# Allegro board 038RT-9068CJK8E-A100_0921_1.brd (continued)
## Routing (per net, layer and track width the routed paths; a pad name or vN(x,y) marks a point on that pad's centre or on a via; arc(x,y) is an arc through that point) (continued)
  L03_SIGNAL w0.102: v4(99,209.42) 99.2,209.63 arc(99.42,209.77) 99.67,209.82 99.91,209.82 arc(100.01,209.84) 100.1,209.9 100.11,209.91 arc(100.2,209.97) 100.31,209.99 100.66,209.99 arc(100.9,210.04) 101.11,210.18
  L03_SIGNAL w0.136: v1(129.49,216.43) 129.3,216.62 arc(129.11,216.75) 128.89,216.79 128.27,216.79 arc(128.18,216.77) 128.11,216.72 125.7,214.32 arc(125.48,214.17) 125.22,214.12 118.37,214.12 arc(118.28,214.1) 118.2,214.05 117.93,213.78 arc(117.71,213.63) 117.45,213.58 111.66,213.58 arc(111.4,213.63) 111.18,213.78 110.98,213.97 arc(110.9,214.02) 110.82,214.04 105.06,214.04 arc(104.98,214.02) 104.9,213.97 101.11,210.18
SG0_P5_HSI-: length 33.8
  L03_SIGNAL w0.102: 100.22,210.45 100.19,210.45 100.1,210.54 arc(100.01,210.6) 99.91,210.62 99.67,210.62 arc(99.42,210.57) 99.2,210.43 v4(99,210.22)
  L03_SIGNAL w0.136: v1(129.49,217.6) 129.26,217.37 arc(129.12,217.27) 128.95,217.24 128.27,217.24 arc(128.01,217.19) 127.79,217.04 125.38,214.64 arc(125.3,214.59) 125.22,214.57 118.37,214.57 arc(118.1,214.52) 117.88,214.37 117.61,214.1 arc(117.54,214.05) 117.45,214.03 111.66,214.03 arc(111.57,214.05) 111.5,214.1 111.3,214.29 arc(111.08,214.44) 110.82,214.49 105.06,214.49 arc(104.8,214.44) 104.58,214.29 100.91,210.62 arc(100.72,210.49) 100.49,210.45 100.22,210.45
SG0_P5_HSO+: length 37.5
  BOTTOM w0.105: v1(99.8,210.22) 99.89,210.31 arc(99.97,210.37) 100.07,210.39 103.6,210.39 arc(103.64,210.38) 103.67,210.36 104.39,209.64 arc(104.57,209.52) 104.79,209.47 116.82,209.47 arc(117.03,209.52) 117.22,209.64 117.85,210.27 arc(117.97,210.46) 118.02,210.68 118.02,215.93 arc(118.03,215.97) 118.05,216.01 119.16,217.11 arc(119.19,217.14) 119.23,217.14 126.47,217.14 arc(126.69,217.19) 126.87,217.31 128.81,219.25 arc(128.86,219.28) 128.91,219.29 129.01,219.29 arc(129.13,219.27) 129.23,219.2 CS72.2
SG0_P5_HSO-: length 37.5
  BOTTOM w0.105: CS71.2 129.29,219.91 arc(129.12,219.8) 128.92,219.76 128.79,219.76 arc(128.67,219.73) 128.57,219.67 126.55,217.64 arc(126.51,217.62) 126.47,217.61 119.23,217.61 arc(119.01,217.57) 118.83,217.44 117.72,216.34 arc(117.6,216.15) 117.55,215.93 117.55,210.68 arc(117.54,210.63) 117.52,210.6 116.89,209.97 arc(116.86,209.95) 116.82,209.94 104.79,209.94 arc(104.75,209.95) 104.72,209.97 104,210.69 arc(103.82,210.81) 103.6,210.85 100.07,210.85 arc(99.97,210.87) 99.89,210.93 v1(99.8,211.02)
SG0_P5_LDOOUT: length 29.2
  L05_SIGNAL w0.102: 100.22,208.22 93.8,208.22 v1(93.4,207.82)
  L05_SIGNAL w0.105: v2(121.14,206.38) 118.68,208.84 102.59,208.84 101.97,208.22 100.22,208.22
  vias: v1(92.6,207.82)
SG0_P5_LED: length 25.8
  L05_SIGNAL w0.102: 93.8,213.84 93.8,210.62 v1(93.4,210.22)
  L05_SIGNAL w0.105: v2(94.47,235.26) 94.79,234.94 94.79,229.02 94.13,228.35 94.13,217.89 93.8,217.56 93.8,213.84
SG0_P5_MDI+: length 6.7
  BOTTOM w0.105: v1(85.4,202.22) 85.23,202.05 83.89,202.05 82.84,201 82.84,199.01 82.38,198.55 81.98,198.55 T21.3
SG0_P5_MDI-: length 6.7
  BOTTOM w0.105: v1(85.4,201.42) 85.23,201.59 84.08,201.59 83.3,200.81 83.3,198.82 82.57,198.09 81.98,198.09 T21.4
SG0_P5_RXC: length 71.6
  L07_SIGNAL w0.105: v1(83.94,229.07) 85.34,227.67 88.42,227.67 89.09,228.34 89.09,230.98 91.04,232.92 96.81,232.92 98.01,234.12 101.29,234.12 101.59,234.42 118.5,234.42 v2(121.14,231.78)
  L09_SIGNAL w0.102: 90.04,213.84 90.04,213.61 90.2,213.45 v1(90.2,213.42)
  L09_SIGNAL w0.105: 90.04,213.84 90.04,222.33 90.84,223.13 90.84,228.27 91.44,228.88 91.44,231.32 90.49,232.27 86.21,232.27 84.75,230.81 84.75,229.88 v1(83.94,229.07)
  BOTTOM w0.115: v1(83.94,229.07) RR904.2
SG0_P5_RXD0: length 70.4
  L07_SIGNAL w0.105: v1(88,229.07) 87.54,229.53 85.5,229.53 85.16,229.87 85.16,232.49 89.04,236.37 126.58,236.37 127.62,235.34 127.62,232.53 v2(126.86,231.78)
  L09_SIGNAL w0.102: v1(87.8,213.42) 87.8,213.84
  L09_SIGNAL w0.105: v1(88,229.07) 88,223.96 88.27,223.69 88.27,216.95 87.6,216.28 87.6,214.04 87.8,213.84
  BOTTOM w0.115: v1(88,229.07) RR900.2
SG0_P5_RXD1: length 73.1
  L07_SIGNAL w0.105: v1(90.04,231.13) 91.27,232.37 97.04,232.37 98.24,233.56 101.52,233.56 101.82,233.86 116.99,233.86 120.27,230.58 120.27,227.85 122.37,225.75 122.37,225.23 123.61,223.99 124.11,223.99 126.12,221.98 126.12,218.55 124.47,216.89 122.13,216.89 v2(121.14,215.9)
  L09_SIGNAL w0.102: 88.21,213.84 88.21,213.01 v1(88.6,212.62)
  L09_SIGNAL w0.105: v1(90.04,231.13) 88.82,229.92 88.82,216.43 88.21,215.81 88.21,213.84
  BOTTOM w0.115: v1(90.04,231.13) RR901.2
SG0_P5_RXD2: length 85
  L09_SIGNAL w0.102: v1(88.6,213.42) 88.99,213.03 88.99,212.38 89.14,212.23 91.16,212.23 91.39,212.46 91.39,213.79 91.44,213.84
  L09_SIGNAL w0.105: v2(124.95,231.78) 122.73,233.99 95.36,233.99 94.98,233.61 94.98,232.69 95.5,232.17 107.1,232.17 107.55,231.72 107.55,230.32 v1(106.29,229.07) 104.69,230.67 93.79,230.67 93.42,230.3 93.42,228.45 94.16,227.71 94.16,217.85 91.57,215.26 91.57,213.97 91.44,213.84
  BOTTOM w0.115: v1(106.29,229.07) RR902.2
SG0_P5_RXD3: length 73.3
  L07_SIGNAL w0.105: v1(92.07,231.13) 92.75,231.81 97.27,231.81 98.47,233.01 101.75,233.01 102.05,233.31 115.4,233.31 118.29,230.42 118.29,229.85 118,229.56 117.52,229.56 114.94,232.14 114.45,232.14 114.1,231.78 114.1,231.3 118.99,226.4 120.93,226.4 121.81,225.52 121.81,225 124.32,222.5 124.32,219.71 v2(124.95,219.07)
  L09_SIGNAL w0.102: 90.6,213.84 90.6,213.14 90.47,213.01 89.79,213.01 v1(89.4,212.62)
  L09_SIGNAL w0.105: v1(92.07,231.13) 92.6,230.6 92.6,223.69 90.6,221.68 90.6,213.84
  BOTTOM w0.115: v1(92.07,231.13) RR903.2
SG0_P5_RXDV: length 73.9
  L07_SIGNAL w0.105: v2(123.05,231.78) 123.05,232.43 123.34,232.73 126.41,232.73 126.93,233.24 126.93,235.11 126.22,235.81 92.31,235.81 88.47,231.98 86.82,231.98 v1(85.97,231.13)
  L09_SIGNAL w0.102: 89.27,213.84 89.27,213.55 v1(89.4,213.42)
  L09_SIGNAL w0.105: v1(85.97,231.13) 86.55,231.71 90.26,231.71 90.89,231.09 90.89,229.11 89.41,227.62 89.41,215.35 89.27,215.21 89.27,213.84
  BOTTOM w0.115: v1(85.97,231.13) RR905.2
SG0_P5_TXC: length 277.6
  L07_SIGNAL w0.102: v1(91.8,212.62) 92.19,212.23 92.19,210.8 92.38,210.61 100.19,210.61 100.22,210.64
  L07_SIGNAL w0.105: 100.22,210.64 102.59,210.64 103.24,209.99 116.78,209.99 117.74,210.95 124.48,210.95 124.94,210.95 128.2,214.21 128.2,223.25 123.05,228.4 v2(123.05,228.6)
  L13_SIGNAL w0.105: v2(123.05,228.6) 125.41,230.97 126.91,230.97 135.08,239.13 197.35,239.13 201.58,234.9 211.65,234.9 219.64,226.91 227.63,226.91 228.66,227.94 259.67,227.94 260.4,228.68 260.4,230.77 259.77,231.4 243.17,231.4 242.57,232 242.57,235.06 243.01,235.5 280.67,235.5 282.01,234.15 282.01,225.8 v1(282.91,224.9)
  BOTTOM w0.115: v1(282.91,224.9) RR924.2
SG0_P5_TXD0: length 66.9
  L09_SIGNAL w0.102: v1(92.6,212.62) 92.2,213.02 92.2,213.74
  L09_SIGNAL w0.105: 92.2,213.74 92.2,213.85 94.38,216.03 96.08,216.03 96.86,216.82 105.69,216.82 106.74,217.87 110.96,217.87 111.88,218.79 117.04,218.79 119.77,221.52 123.22,221.52 127.56,225.86 127.56,229.87 127.57,229.87 127.57,230.3 127.57,230.31 127.57,230.74 133.07,236.24 133.07,237 135.1,239.04 142.03,239.04 SG0_P5_TXD0.1
SG0_P5_TXD1: length 136.2
  L09_SIGNAL w0.105: SG0_P5_TXD1.1 144.52,238.33 147.99,238.33 148.79,239.13 148.79,241.09 151.64,243.94 171.69,243.94 172.33,244.58 172.33,246.89 171.64,247.58 151.71,247.58 147.37,243.23 147.37,239.69 146.67,239 143.09,239 142.47,238.38 137.05,238.38 136.37,237.71 136.37,236.24 136.13,236 133.62,236 128.13,230.51 128.13,229.1 128.12,229.1 128.12,224.38 124.57,220.83 120.02,220.83 117.42,218.24 112.29,218.24 110.15,216.09 97.35,216.09 96.61,215.36 94.53,215.36 v1(92.6,213.42)
SG0_P5_TXD2: length 145.3
  L09_SIGNAL w0.102: v1(93.4,212.62) 93.8,213.02 93.8,213.74 93.9,213.84
  L09_SIGNAL w0.105: 93.9,213.84 94.84,214.78 105.61,214.78 105.8,214.59 110.04,214.59 111.9,216.45 111.9,216.74 112.84,217.68 117.89,217.68 120.38,220.17 126.13,220.17 130.08,224.12 130.08,225.39 132.69,227.99 132.69,229.95 136.33,233.59 136.33,234.67 137.09,235.43 142.92,235.43 143.43,235.93 149,235.93 152.22,239.15 168.28,239.15 169.71,237.73 169.71,234.75 170.81,233.65 185.21,233.65 186.03,234.47 186.03,237.39 185.41,238.01 172.97,238.01 168.4,242.58 168.4,242.64 159.82,242.64 159.28,242.1 159.28,241.05 SG0_P5_TXD2.1
SG0_P5_TXD3: length 275.8
  L07_SIGNAL w0.102: v1(93.4,213.42) 92.99,213.01 92.99,212.08 93.66,211.41 100.22,211.41
  L07_SIGNAL w0.105: 100.22,211.41 103.35,211.41 104.22,210.55 116.48,210.55 117.43,211.5 124.71,211.5 127.62,214.42 127.62,222.87 125.76,224.73 124.52,224.73 123.99,225.26 123.99,225.76 v2(121.14,228.6)
  L15_SIGNAL w0.105: v1(276.81,224.9) 276.81,227.36 272.33,231.84 197.16,231.84 196.42,231.1 196.42,221.85 197.05,221.22 212.74,221.22 213.24,220.73 213.24,214.37 210.97,212.1 141.76,212.1 136.98,216.88 136.98,218.39 134.61,220.76 134.61,222.48 130.92,226.17 123.57,226.17 v2(121.14,228.6)
  BOTTOM w0.115: v1(276.81,224.9) RR923.2
SG0_P5_TXEN: length 281.2
  L07_SIGNAL w0.102: 100.22,209.83 91.59,209.83 91.39,210.02 91.39,213.01 v1(91.8,213.42)
  L07_SIGNAL w0.105: 100.22,209.83 101.54,209.83 102.06,209.3 117.15,209.3 118.2,210.36 125.18,210.36 130.2,215.38 130.2,222.18 124.95,227.43 v2(124.95,228.6)
  L15_SIGNAL w0.105: v2(124.95,228.6) 126.12,228.6 128.59,231.07 131.57,231.07 132.24,230.39 132.24,226.35 135.9,222.7 137.66,222.7 138.26,222.1 138.26,216.73 139.84,215.15 142.09,215.15 143.66,213.58 148.31,213.58 149.92,215.19 149.92,226.9 149.14,227.69 140.27,227.69 139.54,228.42 139.54,234.16 140.48,235.11 164.4,235.11 164.92,235.63 273.22,235.63 281.65,227.2 281.65,221.87 v1(280.88,221.09)
  BOTTOM w0.115: v1(280.88,221.09) RR925.2
SG0_P5_VDDIO:
  vias: v1(87.8,212.62) v1(91,213.42) v1(91,212.62) v1(91.49,219.84) v1(91.49,219.21)
SG0_P6_CLKREQB: length 27
  L09_SIGNAL w0.105: v1(98.2,199.02) 98.69,198.53 107.54,198.53 108.59,199.57 118.64,199.57 122.27,203.2 v2(123.05,203.2)
SG0_P6_HSI+: length 34
  BOTTOM w0.14: CS107.2 130.58,203.07 129.32,203.07 128,201.75 120.56,201.75 118.58,199.77 103.62,199.77 100.57,202.81 100,202.81
  BOTTOM w0.15: 100,202.81 v1(99.8,203.02)
SG0_P6_HSI-: length 34
  BOTTOM w0.14: 100,202.43 100.41,202.43 103.45,199.38 118.74,199.38 120.72,201.36 128.16,201.36 129.48,202.68 130.58,202.68 CS108.2
  BOTTOM w0.15: 100,202.43 v1(99.8,202.22)
SG0_P6_HSO+: length 24.6
  TOP w0.14: CS102.2 122.32,196.32 arc(122.11,196.45) 121.87,196.5 120.9,196.5 arc(120.63,196.56) 120.4,196.71 117.9,199.21 arc(117.8,199.28) 117.68,199.3 102.55,199.3 arc(102.28,199.36) 102.06,199.51 100.83,200.73 arc(100.73,200.8) 100.61,200.83 100.13,200.83 arc(100.01,200.8) 99.91,200.73
  TOP w0.15: 99.91,200.73 GOLD0.W3
SG0_P6_HSO-: length 24.6
  TOP w0.14: CS101.2 122.32,197.08 arc(122.11,196.94) 121.87,196.89 120.9,196.89 arc(120.78,196.92) 120.68,196.98 118.17,199.49 arc(117.94,199.64) 117.68,199.69 102.55,199.69 arc(102.43,199.72) 102.33,199.79 101.11,201.01 arc(100.88,201.16) 100.61,201.21 100,201.21
  TOP w0.15: 100,201.21 GOLD0.W4
SG0_P6_ISOLATEB: length 86.1
  L05_SIGNAL w0.102: 100.22,204.94 100.14,205.02 98.47,205.02 97.8,204.35 97.8,200.22 v1(98.2,199.82)
  L05_SIGNAL w0.105: 100.22,204.94 100.77,204.39 125.21,204.39 129.29,200.31 138.36,200.31 142.84,195.83 144.03,195.83 149.31,190.54 149.31,186.58 149.87,186.02 166.52,186.02 167.09,186.58 167.09,187.14 v2(167.72,187.77)
SG0_P6_LANWAKEB: length 25.1
  L09_SIGNAL w0.102: 100.22,200.22 97.8,200.22 v1(97.4,199.82)
  L09_SIGNAL w0.105: 100.22,200.22 118.16,200.22 v2(121.14,203.2)
SG0_P6_LED: length 26.2
  L05_SIGNAL w0.102: v1(94.2,210.22) 94.6,210.62 94.6,213.84
  L05_SIGNAL w0.105: v2(96.38,235.26) 96.74,234.9 96.74,228.68 96.38,228.32 96.38,225.68 94.88,224.18 94.88,217.51 94.6,217.23 94.6,213.84
SG0_P6_MDI+: length 5.7
  L46_SIGNAL w0.102: v1(86.2,203.02) 85.8,202.62 85.18,202.62 85,202.45 84.98,202.45
  L46_SIGNAL w0.136: 84.98,202.45 84.49,202.45 83.64,203.3 81.59,203.3 81.46,203.43 v1(81.46,203.77)
SG0_P6_MDI-: length 5.7
  L46_SIGNAL w0.102: v1(86.2,202.22) 85.8,201.82 85.18,201.82 85,201.99 84.98,201.99
  L46_SIGNAL w0.136: v1(81.46,202.37) 81.46,202.71 81.59,202.85 83.45,202.85 84.3,201.99 84.98,201.99
SG0_P6_PCIE_RESETB: length 59.4
  L03_SIGNAL w0.145: v1(99,199.02) 100.66,197.36 108.02,197.36 108.71,196.67 126.59,196.67 129.47,193.78 146.37,193.78 149.26,190.89 149.26,186.04 v2(149.94,185.37)
SG0_P6_REFCLK+: length 32.1
  L05_SIGNAL w0.1: v2(123.05,187.32) 123.72,187.32 123.82,187.43 123.82,188.35 123.56,188.62 123.14,188.62 123.02,188.5 123.02,188.3 122.9,188.18 122.74,188.18 122.62,188.3 122.62,188.5 122.5,188.62 118.38,188.62 112.53,194.47 108.93,194.47 106.71,196.68 104.39,196.68 101.43,199.64 100.46,199.64
  L05_SIGNAL w0.102: v1(99,199.82) 99.4,199.42 100.1,199.42 100.31,199.64 100.46,199.64 100.46,199.64
SG0_P6_REFCLK-: length 32.1
  L05_SIGNAL w0.1: v2(124.95,187.32) 124.28,187.32 124.18,187.43 124.18,188.51 123.71,188.98 118.53,188.98 112.68,194.83 109.08,194.83 106.87,197.05 104.54,197.05 101.59,200 100.46,200
  L05_SIGNAL w0.102: 100.46,200 100.31,200 100.1,200.22 99.4,200.22 v1(99,200.62)
SG0_P7_CLKREQB: length 31.4
  L09_SIGNAL w0.102: v1(96.6,202.22) 97,202.62 100.05,202.62 100.06,202.62 100.22,202.62
  L09_SIGNAL w0.105: 100.22,202.62 104.24,202.62 105.94,204.32 116.68,204.32 120.94,208.57 123.98,208.57 v2(124.95,209.55)
SG0_P7_HSI+: length 32.8
  BOTTOM w0.14: CS117.2 130.58,205.93 127.94,205.93 126.7,204.7 104.43,204.7 102.3,206.83 99.99,206.83
  BOTTOM w0.15: v1(99.8,207.02) 99.99,206.83
SG0_P7_HSI-: length 32.8
  BOTTOM w0.14: CS118.2 130.58,205.54 128.1,205.54 126.87,204.31 104.27,204.31 102.14,206.44 100.16,206.44 100.16,206.43 100.01,206.43 100,206.43
  BOTTOM w0.15: 100,206.43 v1(99.8,206.22)
SG0_P7_HSO+: length 26.2
  TOP w0.14: CS112.2 122.32,198.82 arc(122.11,198.96) 121.87,199.01 121.69,199.01 arc(121.42,199.06) 121.2,199.21 119.48,200.93 arc(119.33,201.16) 119.28,201.42 119.28,202.63 arc(119.26,202.75) 119.19,202.85 117.98,204.06 arc(117.88,204.13) 117.76,204.15 102.15,204.15 arc(101.88,204.2) 101.65,204.36 101.28,204.73 arc(101.18,204.8) 101.06,204.83 100.13,204.83 arc(100.01,204.8) 99.91,204.73
  TOP w0.15: 99.91,204.73 GOLD0.W8
SG0_P7_HSO-: length 26.2
  TOP w0.14: 100,205.21 101.06,205.21 arc(101.32,205.16) 101.55,205.01 101.93,204.63 arc(102.03,204.56) 102.15,204.54 117.76,204.54 arc(118.03,204.49) 118.25,204.34 119.46,203.12 arc(119.62,202.9) 119.67,202.63 119.67,201.42 arc(119.69,201.3) 119.76,201.2 121.47,199.49 arc(121.57,199.42) 121.69,199.4 121.87,199.4 arc(122.11,199.45) 122.32,199.58 CS111.2
  TOP w0.15: 100,205.21 GOLD0.W9
SG0_P7_ISOLATEB: length 84
  L05_SIGNAL w0.102: v1(97.4,201.42) 97.01,201.81 96.37,201.81 96.21,201.97 96.21,206.38 96.43,206.61 96.7,206.61 96.72,206.63 100.22,206.63
  L05_SIGNAL w0.105: 100.22,206.63 101.03,206.63 102.17,205.5 125.81,205.5 128.65,202.65 138.24,202.65 143.6,197.29 156.93,197.29 v2(166.45,187.77)
SG0_P7_LANWAKEB: length 30.7
  L09_SIGNAL w0.102: v1(96.6,201.42) 97,201.02 100.05,201.02 100.06,201.02 100.22,201.02
  L09_SIGNAL w0.105: 100.22,201.02 105.14,201.02 106.31,202.18 117.59,202.18 120.71,205.31 123.88,205.31 v2(124.95,206.38)
SG0_P7_PCIE_RESETB: length 67.5
  L05_SIGNAL w0.102: 100.22,205.82 97.11,205.82 96.99,205.69 96.99,202.63 v1(97.4,202.22)
  L05_SIGNAL w0.105: 100.22,205.82 100.45,205.82 101.33,204.94 125.53,204.94 128.4,202.07 137.77,202.07 143.28,196.56 144.38,196.56 150.53,190.41 150.53,187.36 v2(149.94,186.77)
SG0_P7_REFCLK+: length 32.4
  L05_SIGNAL w0.1: v2(123.05,190.5) 123.72,190.5 123.82,190.6 123.82,191.99 123.35,192.45 123.18,192.45 123.04,192.31 122.87,192.31 122.76,192.43 122.76,192.59 122.9,192.74 122.9,192.9 122.18,193.62 117.22,193.62 111.03,199.8 106.22,199.8 103.19,202.84 100.61,202.84 100.61,202.84 100.48,202.84 100.48,202.84 100.46,202.84
  L05_SIGNAL w0.102: 100.46,202.84 100.31,202.84 100.1,202.62 99.4,202.62 v1(99,203.02)
SG0_P7_REFCLK-: length 32.4
  L05_SIGNAL w0.1: 100.46,203.2 103.34,203.2 106.37,200.17 111.18,200.17 117.37,193.98 122.34,193.98 124.18,192.14 124.18,190.6 124.28,190.5 v2(124.95,190.5)
  L05_SIGNAL w0.102: v1(99,203.82) 99.4,203.42 100.1,203.42 100.31,203.2 100.46,203.2
SG0_PGATE: length 77.2
  L05_SIGNAL w0.102: 88.2,198.6 88.2,201.72 88.3,201.82 90.6,201.82 v1(91,202.22)
  L05_SIGNAL w0.105: 88.2,198.6 88.2,183.12 94.35,176.97 129.22,176.97 132.16,179.91 v2(132.16,187.77)
SG0_PH_GPIOA_1: length 132.4
  L11_SIGNAL w0.105: SG0_GPIOA1_2.1 53.27,190.43 53.27,188.34 59.47,182.14 162.95,182.14 v2(165.18,184.37)
  BOTTOM w0.115: RD180.2 165.79,194.95 165.79,184.54 165.61,184.37 v2(165.18,184.37)
SG0_PH_GPIOA_2: length 132.5
  L11_SIGNAL w0.105: SG0_GPIOA1_2.3 52.1,187.96 58.65,181.42 163.85,181.42 165.97,183.53 165.97,185.67 164.86,186.77 v2(163.91,186.77)
  BOTTOM w0.115: RD181.2 164.54,194.68 164.54,186.91 164.41,186.77 v2(163.91,186.77)
SG0_RESETB: length 61.1
  L03_SIGNAL w0.145: v1(97.4,199.02) 99.74,196.68 107.85,196.68 109.16,195.38 120.57,195.38 121.21,194.73 127.5,194.73 129.05,193.19 145.5,193.19 148.07,190.61 148.07,185.96 v2(148.67,185.37)
  BOTTOM w0.115: R584.1 v2(148.67,185.37)
SG0_RSET: length 1.3
  BOTTOM w0.115: R69.1 v1(85.4,206.22)
SG0_RTT: length 25.5
  L05_SIGNAL w0.102: 84.98,207.42 87.4,207.42 v1(87.8,207.02)
  L05_SIGNAL w0.105: v1(68.75,219.71) 68.75,217.59 69.51,216.83 72.69,216.83 82.11,207.42 84.98,207.42
SG0_SPI_CSB: length 36.1
  L03_SIGNAL w0.102: v1(93.4,211.02) 93,211.42 93,213.74
  L03_SIGNAL w0.145: 93,213.74 93,214.28 91.72,215.55 89.8,215.55 89.16,214.91 84.93,214.91 84.33,214.31 74.21,214.31 70.91,217.62 67.17,217.62 v1(64.02,220.78)
SG0_SPI_SCK: length 41.5
  L03_SIGNAL w0.102: 95.4,213.74 95.4,211.42 v1(95.8,211.02)
  L03_SIGNAL w0.145: v1(64.02,226.49) 65.44,226.49 75.22,216.71 83.34,216.71 83.94,217.31 88.17,217.31 88.8,217.95 92.72,217.95 95.4,215.27 95.4,213.74
SG0_SPI_SI: length 43.4
  L03_SIGNAL w0.102: v1(96.6,211.02) 96.2,211.42 96.2,214.52
  L03_SIGNAL w0.145: v1(64.02,228.42) 64.83,228.42 75.92,217.34 82.61,217.34 83.52,218.25 86.77,218.25 87.28,218.75 93.05,218.75 96.2,215.6 96.2,214.52
SG0_SPI_SO: length 38.4
  L03_SIGNAL w0.102: 93.8,213.74 93.8,211.42 v1(94.2,211.02)
  L03_SIGNAL w0.145: v1(64.02,222.68) 66.89,219.81 66.89,219.02 67.49,218.42 71.24,218.42 74.54,215.11 84,215.11 84.6,215.71 88.83,215.71 89.47,216.35 92.05,216.35 93.8,214.61 93.8,213.74
SG0_SRC_DVDD09:
  vias: v1(116.8,203.06) v1(116.93,206.33) v1(117.44,203.06) v1(117.56,206.33) v2(72.25,162.56) v2(72.25,139.7) v2(72.88,156.21) v2(72.88,154.94) v2(72.88,133.35) v2(72.88,132.08) v2(73.52,162.56) v2(73.52,139.7) v2(74.15,156.21) v2(74.15,154.94) v2(74.15,133.35) v2(74.15,132.08) v2(74.79,166.37) v2(74.79,162.56) v2(74.79,142.88) v2(74.79,139.7) v2(78.6,162.56) v2(78.6,139.7) v2(79.23,156.21) v2(79.23,154.94) v2(79.23,133.35) v2(79.23,132.08) v2(79.87,162.56) v2(79.87,139.7) v2(80.5,156.21) v2(80.5,154.94) v2(80.5,133.35) v2(80.5,132.08) v2(81.14,166.37) v2(81.14,162.56) v2(81.14,142.88) v2(81.14,139.7) v2(84.95,139.7) v2(85.58,133.35) v2(85.58,132.08) v2(86.22,139.7) v2(86.85,133.35) v2(86.85,132.08) v2(87.49,142.88) v2(87.49,139.7) v2(91.3,139.7) v2(91.93,133.35) v2(91.93,132.08) v2(92.57,139.7) v2(93.2,133.35) v2(93.2,132.08) v2(93.84,142.88) v2(93.84,139.7) v2(127.21,36.16) v2(129.75,36.16)
SG0_SRC_DVDD33:
  vias: v1(85.37,186.82) v1(85.37,186.18) v1(93.25,186.82) v1(93.25,186.18) v1(93.43,227.54) v1(93.43,226.9) v1(95.09,227.54) v1(95.09,226.9) v1(95.16,186.82) v1(95.16,186.18) v1(95.72,227.54) v1(95.72,226.9) v1(114.74,215.1) v1(114.74,211.07) v1(115.37,215.1) v1(115.37,211.07) v1(116.8,196.08) v1(117.44,196.08) v2(84.09,44.7) v2(84.95,166.37) v2(84.95,162.56) v2(85.58,156.21) v2(85.58,154.94) v2(86.22,162.56) v2(86.85,156.21) v2(86.85,154.94) v2(87.49,162.56) v2(91.3,166.37) v2(91.3,162.56) v2(91.93,156.21) v2(91.93,154.94) v2(92.57,162.56) v2(93.2,156.21) v2(93.2,154.94) v2(93.84,162.56) v2(94.25,44.7) v2(97.65,162.56) v2(98.28,156.21) v2(98.28,154.94) v2(98.92,162.56) v2(99.55,156.21) v2(99.55,154.94) v2(100.19,162.56) v2(104,166.37) v2(104,162.56) v2(104.63,156.21) v2(104.63,154.94) v2(105.27,162.56) v2(105.9,156.21) v2(105.9,154.94) v2(106.54,162.56) v2(110.35,162.56) v2(110.98,156.21) v2(110.98,154.94) v2(111.62,162.56) v2(112.25,156.21) v2(112.25,154.94) v2(112.89,162.56) v2(116.7,162.56) v2(117.33,156.21) v2(117.33,154.94) v2(117.97,162.56) v2(118.6,156.21) v2(118.6,154.94) v2(119.24,162.56) v2(123.05,166.37) v2(123.05,162.56) v2(123.05,152.4) v2(124.32,162.56) v2(124.32,152.4) v2(125.59,162.56) v2(125.59,156.21) v2(125.59,152.4) v2(128.08,45.61) v2(128.08,43.58) v2(128.08,41.55) v2(129.4,162.56) v2(129.4,152.4) v2(129.35,45.61) v2(129.35,43.58) v2(129.35,41.55) v2(130.62,45.61) v2(130.62,43.58) v2(130.62,41.55) v2(130.67,162.56) v2(130.67,152.4) v2(131.78,41.94) v2(131.78,40.67) v2(131.94,162.56) v2(131.94,152.4) v2(133.54,41.94) v2(133.54,40.67) v2(134.7,184.37) v2(135.26,45.77) v2(135.26,43.55) v2(135.3,41.94) v2(135.3,40.67) v2(135.97,184.37) v2(137.24,184.37) v2(138.51,184.37) v2(139.78,184.37) v2(141.05,184.37) v2(142.32,184.37) v2(143.59,184.37) v2(144.86,184.37) v2(146.13,184.37) v2(147.4,184.37) v2(148.67,184.37) v2(151.21,184.37) v2(152.48,184.37) v2(153.75,184.37) v2(155.02,184.37) v2(156.29,184.37) v2(157.56,184.37) v2(161.37,184.37) v2(255.49,47.76) v2(258.62,47.76)
SG0_TAPSL0: length 66.7
  L03_SIGNAL w0.102: 100.22,200.22 96.2,200.22 v1(95.8,199.82)
  L03_SIGNAL w0.145: v2(152.48,185.37) 151.8,186.05 151.8,190.04 146.87,194.97 130.36,194.97 126.7,198.63 103.76,198.63 102.17,200.22 100.22,200.22
  BOTTOM w0.115: R281.1 v2(152.48,185.37)
SG0_TAPSL1: length 64.6
  L03_SIGNAL w0.102: 100.22,199.42 97,199.42 v1(96.6,199.82)
  L03_SIGNAL w0.145: v2(151.21,185.37) 150.64,185.93 150.64,187.98 150.67,188 150.67,190.33 146.62,194.38 129.88,194.38 126.83,197.43 108.94,197.43 108.42,197.95 103.31,197.95 101.84,199.42 100.22,199.42
  BOTTOM w0.115: R282.1 v2(151.21,185.37)
SG0_TCT: length 9.9
  TOP w0.115: C324.1 v2(57.76,120.5) ; T13.15 v2(54.59,120.5) ; T13.10 v2(60.94,120.5)
  L03_SIGNAL w0.145: v2(60.94,120.5) v2(57.76,120.5) v2(54.59,120.5)
SG0_U1_FE_MDI+: length 110.6
  TOP w0.105: 60.71,122.18 60.71,121.39
  TOP w0.115: v1(60.61,122.28) 60.71,122.18 ; 60.71,121.39 59.67,120.35 T13.11
  L07_SIGNAL w0.1: v1(86.2,204.62) 85.8,205.02 85.15,205.02 84.93,204.79 82.8,204.79 82.34,205.26 79.79,205.26 78.47,203.93 78.47,199.18 81.88,195.77 81.88,184.4 74.99,177.51 69.5,177.51 68.07,176.08 68.07,168.84 69.82,167.09 69.82,148 67.3,145.47 67.3,127.85 64.24,124.79 61.33,124.79 60.77,124.24 60.77,122.44 v1(60.61,122.28)
SG0_U1_FE_MDI-: length 110.6
  TOP w0.105: 61.17,122.18 61.17,121.39
  TOP w0.115: T13.9 62.21,120.35 61.17,121.39 ; v1(61.27,122.28) 61.17,122.18
  L07_SIGNAL w0.1: v1(86.2,203.82) 85.8,204.22 85.17,204.22 85.04,204.34 84.95,204.43 82.65,204.43 82.19,204.89 79.94,204.89 78.83,203.78 78.83,199.33 82.24,195.92 82.24,184.25 75.14,177.15 69.65,177.15 68.44,175.93 68.44,168.99 70.19,167.24 70.19,147.85 67.66,145.32 67.66,127.7 64.39,124.43 62.73,124.43 62.63,124.33 62.63,124.1 62.52,123.99 62.34,123.99 62.23,124.1 62.23,124.33 62.13,124.43 61.48,124.43 61.14,124.09 61.14,122.41 v1(61.27,122.28)
SG0_U1_FE_MDIX+: length 108.8
  TOP w0.105: 54.36,122.18 54.36,121.39
  TOP w0.115: T13.16 53.32,120.35 54.36,121.39 ; v1(54.26,122.28) 54.36,122.18
  L07_SIGNAL w0.1: v1(54.26,122.28) 54.4,122.42 54.4,123.3 55.09,123.99 56.02,123.99 58.58,121.43 65.82,121.43 70.42,126.04 70.42,142.83 77,149.41 77,173.04 84.35,180.39 84.35,197.29 83.88,197.76 83.88,202.95 84.54,203.6 85.18,203.6 v1(85.4,203.82)
SG0_U1_FE_MDIX-: length 108.8
  TOP w0.105: 54.82,122.18 54.82,121.39
  TOP w0.115: v1(54.92,122.28) 54.82,122.18 ; 54.82,121.39 55.86,120.35 T13.14
  L07_SIGNAL w0.1: v1(54.92,122.28) 54.76,122.43 54.76,123.15 55.24,123.63 55.87,123.63 56.67,122.82 56.67,122.68 56.52,122.53 56.52,122.38 56.66,122.24 56.8,122.24 56.96,122.4 57.1,122.4 58.43,121.07 65.97,121.07 70.79,125.89 70.79,142.68 77.36,149.26 77.36,172.89 84.72,180.24 84.72,197.44 84.24,197.92 84.24,202.79 84.69,203.24 85.18,203.24 v1(85.4,203.02)
SG0_U2_FE_MDI+: length 78.5
  TOP w0.105: 60.71,107.39 60.71,108.18
  TOP w0.115: 60.71,108.18 59.67,109.21 T13.6 ; v1(60.61,107.29) 60.71,107.39
  L40_SIGNAL w0.1: v1(60.61,107.29) 60.7,107.2 60.7,107.12 60.76,107.06 60.76,89.5 61.22,89.04 61.22,86.92 59.25,84.96 59.25,79.64 33.66,54.06 33.66,47.54 33.98,47.23 33.98,47.23 v1(34.18,47.03)
  BOTTOM w0.105: U6.27 31.58,47.18 34.04,47.18 v1(34.18,47.03)
SG0_U2_FE_MDI-: length 78.5
  TOP w0.105: 61.17,107.39 61.17,108.18
  TOP w0.115: v1(61.27,107.29) 61.17,107.39 ; T13.8 62.21,109.21 61.17,108.18
  L40_SIGNAL w0.1: v1(61.27,107.29) 61.12,107.14 61.12,89.65 61.58,89.19 61.58,86.77 59.61,84.81 59.61,79.49 34.03,53.91 34.03,51.45 34.13,51.35 34.27,51.35 34.37,51.25 34.37,51.05 34.27,50.95 34.13,50.95 34.03,50.85 34.03,50.65 34.13,50.55 34.26,50.55 34.36,50.45 34.36,50.25 34.26,50.15 34.13,50.15 34.03,50.05 34.03,47.89 34.13,47.79 v1(34.18,47.79)
  BOTTOM w0.105: v1(34.18,47.79) 34.04,47.64 31.58,47.64 U6.28
SG0_U2_FE_MDIX+: length 86.6
  TOP w0.105: 54.36,107.39 54.36,108.18
  TOP w0.115: 54.36,108.18 53.32,109.21 T13.1 ; v1(54.26,107.29) 54.36,107.39
  L40_SIGNAL w0.1: v1(34.18,44.03) 33.98,44.23 28.7,44.23 27.61,45.32 27.61,53.25 54.41,80.06 54.41,106.75 54.26,106.89 v1(54.26,107.29)
  BOTTOM w0.105: v1(34.18,44.03) 34.04,44.18 31.58,44.18 U6.21
